# Altium PCB PCB.PcbDoc (part 1 of 2) (continued)
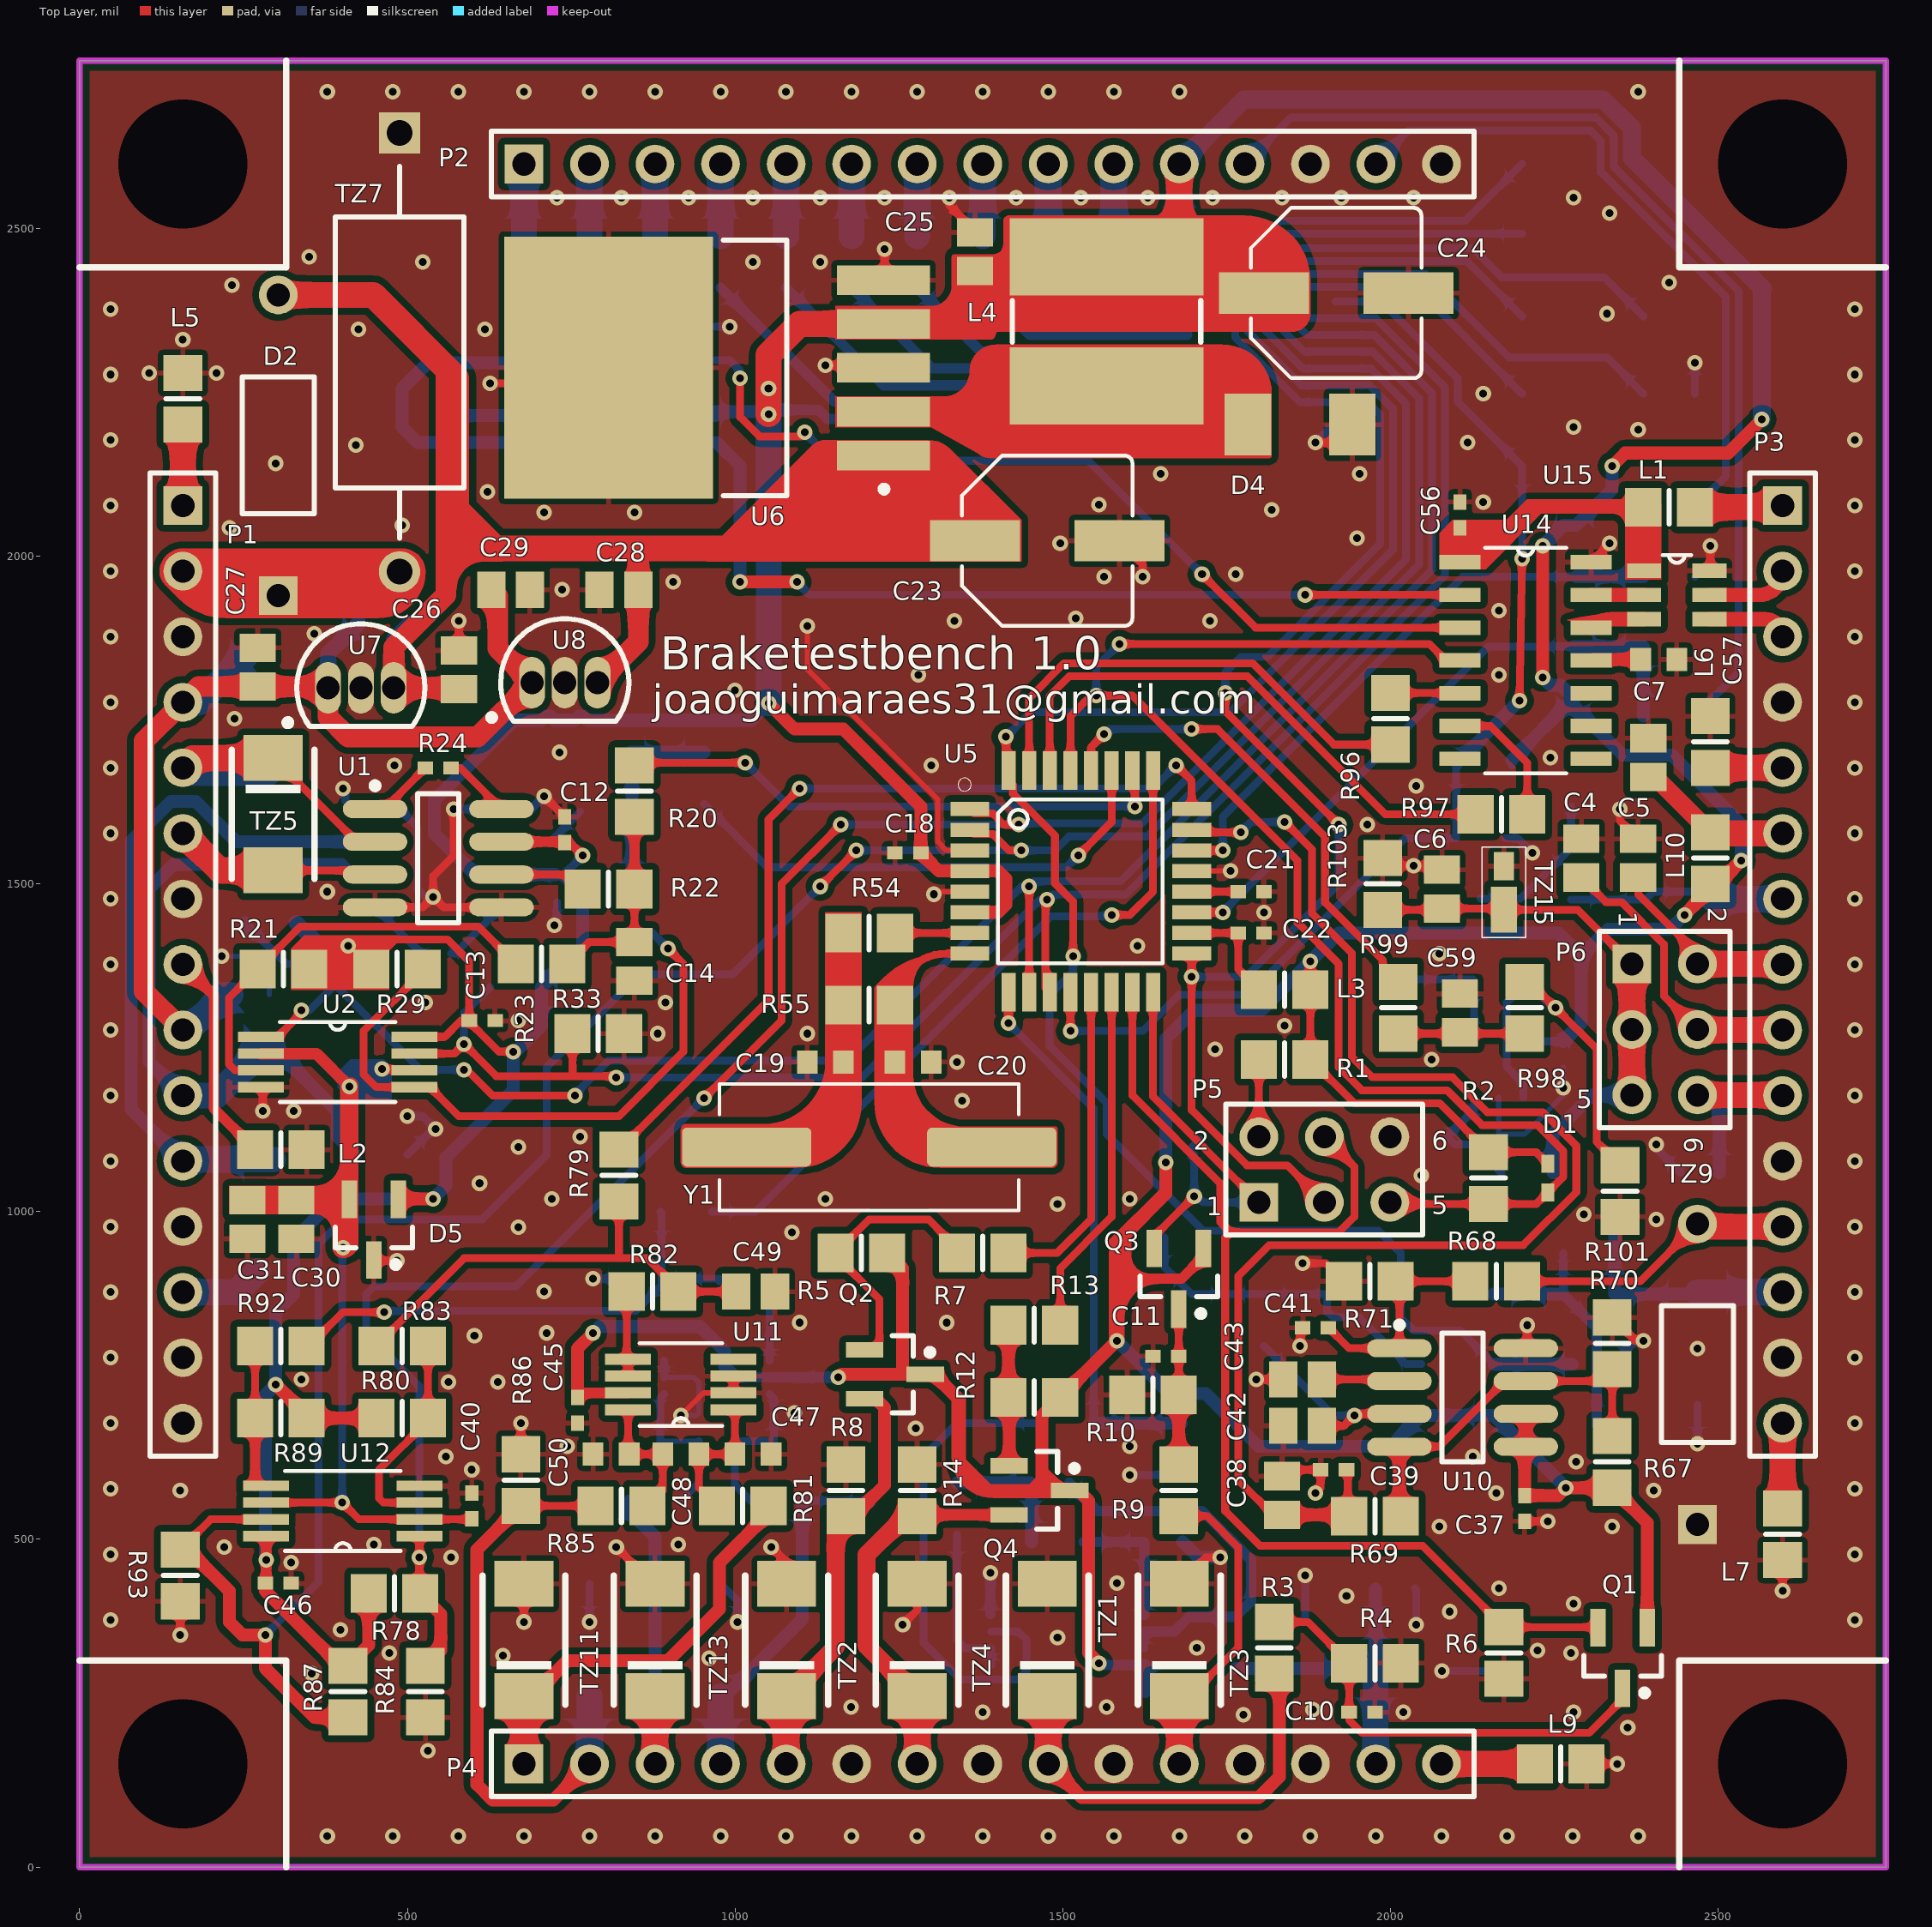
[diagram p0: Top Layer view]
## Components (designator, comment, footprint, x,y, rotation, side; value= is the part's Value field where it differs from the comment) (continued)
R50 "1k" 6-0805_M 877.95,2448.82 r90 bottom
R51 "100k" 6-0805_M 948.82,2259.84 r270 bottom
R52 "100k" 6-0805_M 551.18,2259.84 r270 bottom
R53 "1k" 6-0805_M 677.95,2448.82 r90 bottom
R54 "0R" 6-0805_M 1204.72,1425.2 r180 top
R55 "1M" 6-0805_M 1204.72,1314.96 r0 top
R56 "0R" 6-0805_M 464.57,1897.64 r180 bottom
R57 "100k" 6-0805_M 2279.53,1822.83 r270 bottom
R58 "1k" 6-0805_M 2047.24,728.35 r90 bottom
R59 "100k" 6-0805_M 2283.46,2007.87 r90 bottom
R61 "10k" 6-0805_M 1763.78,342.52 r270 bottom
R62 "22k" 6-0805_M 1338.58,547.24 r90 bottom
R63 "10k" 6-0805_M 1492.13,496.06 r0 bottom
R64 "1k" 6-0805_M 1507.87,677.17 r180 bottom
R65 "1M" 6-0805_M 1870.08,342.52 r270 bottom
R66 "100k" 6-0805_M 1681.1,637.8 r90 bottom
R67 "10k" 6-0805_M 2338.58,618.11 r270 top
R68 "10k" 6-0805_M 2161.42,893.7 r180 top
R69 "10k" 6-0805_M 1976.38,535.43 r180 top
R70 "10k" 6-0805_M 2338.58,799.21 r270 top
R71 "100k" 6-0805_M 1968.5,893.7 r0 top
R72 "24k" 6-0805_M 1807.09,834.65 r270 bottom
R73 "200R" 6-0805_M 1696.85,834.65 r90 bottom
R74 "10k" 6-0805_M 2157.48,728.35 r270 bottom
R75 "150k" 6-0805_M 2303.15,874.02 r180 bottom
R76 "1M" 6-0805_M 2354.33,1019.68 r90 bottom
R77 "100k" 6-0805_M 2118.11,874.02 r0 bottom
R78 "10k" 6-0805_M 480.31,417.32 r0 top
R79 "0R" 6-0805_M 822.83,1055.12 r270 top
R80 "1M" 6-0805_M 492.13,685.04 r0 top
R81 "10k" 6-0805_M 1011.81,551.18 r180 top
R82 "10k" 6-0805_M 874.02,877.95 r180 top
R83 "0R" 6-0805_M 492.13,795.28 r0 top
R84 "10k" 6-0805_M 527.56,267.72 r270 top
R85 "10k" 6-0805_M 826.77,551.18 r0 top
R86 "1M" 6-0805_M 673.23,590.55 r270 top
R87 "10k" 6-0805_M 409.45,267.72 r270 top
R88 "0R" 6-0805_M 925.2,1000 r180 bottom
R89 "1M" 6-0805_M 307.09,685.04 r180 top
R90 "10k" 6-0805_M 877.95,559.06 r0 bottom
R91 "10k" 6-0805_M 1015.75,897.64 r0 bottom
R92 "0R" 6-0805_M 307.09,795.28 r180 top
R93 "10k" 6-0805_M 153.54,444.88 r270 top
R94 "10k" 6-0805_M 1062.99,559.06 r180 bottom
R95 "1M" 6-0805_M 1208.66,594.49 r270 bottom
R96 "1k" 6-0805_M 2000,1751.97 r270 top
R97 "1k" 6-0805_M 2169.29,1606.3 r180 top
R98 "10k" 6-0805_M 2204.72,1311.02 r90 top
R99 "0R" 6-0805_M 2011.81,1311.02 r270 top
R100 "10k" 6-0805_M 2208.66,1059.06 r180 bottom
R101 "100k" 6-0805_M 2350.39,1031.5 r90 top
R102 "20k" 6-0805_M 2165.35,1354.33 r0 bottom
R103 "1M" 6-0805_M 1988.19,1500 r90 top
R104 "10k" 6-0805_M 1984.25,1354.33 r0 bottom
R105 "10k" 6-0805_M 2145.67,1681.1 r0 bottom
R106 "100k" 6-0805_M 2275.59,1515.75 r270 bottom
R107 "1M" 6-0805_M 2389.76,1515.75 r90 bottom
TZ1 "SMBJ12A" DO-214AA 1476.38,346.46 r90 top
TZ2 "SMBJ12A" DO-214AA 1078.74,346.46 r90 top
TZ3 "SMBJ12A" DO-214AA 1677.95,346.46 r90 top
TZ4 "SMBJ12A" DO-214AA 1277.95,346.46 r90 top
TZ5 "SMBJ5.0CA" DO-214AA 295.28,1606.3 r270 top
TZ6 "SMBJ5.0CA" DO-214AA 295.28,1165.35 r270 bottom
TZ7 "SLD24-018" P600 488.19,2311.02 r270 top
TZ8 "SMBJ12A" DO-214AA 2062.99,303.15 r0 bottom
TZ9 "SLD17-018" PIN-W2/E2.8 2468.5,751.97 r90 top
TZ10 "SMBJ12A" DO-214AA 2468.5,791.34 r270 bottom
TZ11 "SMBJ10CA" DO-214AA 677.95,346.46 r90 top
TZ12 "SMBJ10CA" DO-214AA 777.95,346.46 r270 bottom
TZ13 "SMBJ10CA" DO-214AA 877.95,346.46 r90 top
TZ14 "SMBJ10CA" DO-214AA 977.95,346.46 r270 bottom
TZ15 "MSP3V3-M3/89A" DO-219AD 2173.23,1487.01 r90 top
TZ16 "MSP3V3-M3/89A" DO-219AD 2492.13,1503.15 r90 bottom
U1 "AD8223" SO8_M 547.24,1539.37 r0 top
U2 "LM358PT" TSOP-8 393.7,1228.35 r0 top
U3 "AD8223" SO8_M 547.24,1539.37 r0 bottom
U4 "TPL7407LAPWR" TSOP-16 1803.15,2299.21 r180 bottom
U5 "ATMEGA328PB" QFP80P900X900X120-32N 1527.56,1503.94 r0 top
U6 "TL2575-05" TO-263-5 972.44,2287.4 r180 top
U7 "LM78L10" TO-92A 429.13,1799.21 r270 top
U8 "LM78L10" TO-92A 740.16,1807.09 r270 top
U9 "LM358PT" TSOP-8 1507.87,346.46 r0 bottom
U10 "LM2907MX-8" SO8_M 2110.24,716.54 r0 top
U11 "AD8495" RM_8 917.32,736.22 r180 top
U12 "LM358PT" TSOP-8 401.57,543.31 r180 top
U13 "AD8495" RM_8 972.44,759.84 r0 bottom
U14 "MCP2221A-I/SL" SOIC14_N 2206.3,1840.94 r0 top
U15 "STF202-22T1G" SOP6 2437.01,1940.94 r0 top
U16 "MCP6001T-I/OT" SOT23-5 2165.35,1216.54 r180 bottom
Y1 "LFXTAL003237" HC49/4HSMX 1204.72,1098.43 r180 top

## Footprints (in the part's own frame and the unit in brackets; to place one, negate y for a bottom-side part, rotate by r counter-clockwise, add the part's x,y. Pads: shape width x height; smd on the part's side, far side on the other; paste and mask are expansions set on the pad)
6-0805_M [mm] "Chip Resistor, Body 2.0x1.2mm, IPC Low Density"
  rect 1.4x1.5 smd: 1(-1,0) 2(1,0)
  silkscreen extent 0,-0.65 0,0.65, body extent -1.07,-0.7 1.07,0.7, height 0.7
0402 [mm] "Chip Capacitor, Body 1.0x0.5mm, IPC High Density"
  rect 0.6x0.5 smd: 1(-0.5,0) 2(0.5,0)
  body extent -0.55,-0.3 0.55,0.3, height 1.3
1608[0603] [mm] "Chip Capacitor, Body 1.6x0.8mm, IPC High Density"
  rect 0.8x0.9 smd: 1(-0.7,0) 2(0.7,0)
  body extent -0.87,-0.48 0.87,0.48, height 1.3
C0805 [mm] "Chip Capacitor, Body 2.0x1.3mm, IPC High Density"
  rect 1.1x1.4 smd: 1(-0.75,0) 2(0.75,0)
  body extent -1.1,-0.72 1.1,0.72, height 1.4
DO-214AA [mil]
  rect 70x90 smd: A(85.71,0) C(-85.71,0)
  silkscreen extent -98,-63 98,63
DO-214AC [mil]
  rect 70.87x94.49 smd: A(79.72,0) C(-79.72,0)
DO-219AD [mil]
  rect 42.91x31.1 smd: A(40.16,0)
  rect 70.47x40.16 smd: C(-26.38,0)
  silkscreen extent -69,-33 69,33
HC49/4HSMX [mil]
  rrect25% 197.24x59.45 smd: 1(-187.01,0) 2(187.01,0)
  silkscreen extent -228,-96 228,96
HDR1X15 [mm] "Connector; Header; 15 Position"
  rect 1.5x1.5 hole 0.9: 1(0,0)
  round 1.5 hole 0.9: 2(2.54,0) 3(5.08,0) 4(7.62,0) 5(10.16,0) 6(12.7,0) 7(15.24,0) 8(17.78,0) 9(20.32,0) 10(22.86,0) 11(25.4,0) 12(27.94,0) 13(30.48,0) 14(33.02,0) 15(35.56,0)
  silkscreen extent -1.27,-1.27 36.83,1.27
HDR2X3 [mm] "Connector; Header; 3x2 Position"
  rect 1.5x1.5 hole 0.9: 1(0,0)
  round 1.5 hole 0.9: 2(0,2.54) 3(2.54,0) 4(2.54,2.54) 5(5.08,0) 6(5.08,2.54)
  silkscreen extent -1.27,-1.27 6.35,3.81
P600 [mm]
  rect 1.6x1.6 hole 1: 1(-8.5,0)
  round 1.6 hole 1: 2(8.5,0)
  silkscreen extent -7.2,-2.5 7.2,2.5
PIN-W2/E2.8 [mm] "Thru-Hole; 2 Leads"
  rect 1.5x1.5 hole 0.9: 1(-5.825,0)
  round 1.5 hole 0.9: 2(5.825,0)
  silkscreen extent -2.65,-1.4 2.65,1.4
QFP80P900X900X120-32N [mm]
  rect 1.5x0.55 smd: 1(-4.3,2.8) 2(-4.3,2) 3(-4.3,1.2) 4(-4.3,0.4) 5(-4.3,-0.4) 6(-4.3,-1.2) 7(-4.3,-2) 8(-4.3,-2.8) 17(4.3,-2.8) 18(4.3,-2) 19(4.3,-1.2) 20(4.3,-0.4) 21(4.3,0.4) 22(4.3,1.2) 23(4.3,2) 24(4.3,2.8)
  rect 0.55x1.5 smd: 9(-2.8,-4.3) 10(-2,-4.3) 11(-1.2,-4.3) 12(-0.4,-4.3) 13(0.4,-4.3) 14(1.2,-4.3) 15(2,-4.3) 16(2.8,-4.3) 25(2.8,4.3) 26(2,4.3) 27(1.2,4.3) 28(0.4,4.3) 29(-0.4,4.3) 30(-1.2,4.3) 31(-2,4.3) 32(-2.8,4.3)
  silkscreen extent -4.75,-3.17 3.17,4, body extent -4.56,-4.56 4.44,4.44, height 1.2
RM_8 [mil]
  rect 70x17 smd: 1(-80.5,38.39) 2(-80.5,12.8) 3(-80.5,-12.8) 4(-80.5,-38.39) 5(80.5,-38.39) 6(80.5,-12.8) 7(80.5,12.8) 8(80.5,38.39)
  silkscreen extent -63,-63 63,63, body extent -101,-63 102,63, height 43
SDE0805A [mm] "SMT Inductor"
  rect 3x7.5 smd: 1(-2.5,0) 2(2.5,0)
  silkscreen extent -0.8,-3.65 0.8,3.65, body extent -3.83,-3.56 3.83,3.44, height 5
SO8_M [mm] "SOIC, 8-Leads, Body 4.9x3.9mm, Pitch 1.27mm, IPC Low Density"
  oval 2.5x0.7 smd: 1(-2.45,1.905) 2(-2.45,0.635) 3(-2.45,-0.635) 4(-2.45,-1.905) 5(2.45,-1.905) 6(2.45,-0.635) 7(2.45,0.635) 8(2.45,1.905)
  silkscreen extent -2.57,-2.5 0.8,2.93, body extent -2,-2.5 2,2.5, height 1.75
SOD-523 [mm]
  rect 0.7x0.5 smd: 1(0.55,0) 2(-0.55,0)
SOIC14_N [mil]
  rect 63x22 smd: 1(-100,150) 2(-100,100) 3(-100,50) 4(-100,0) 5(-100,-50) 6(-100,-100) 7(-100,-150) 8(100,-150) 9(100,-100) 10(100,-50) 11(100,0) 12(100,50) 13(100,100) 14(100,150)
  silkscreen extent -62,-172 62,172, body extent -119,-170 119,170, height 62
SOP6 [mil]
  rect 52x22 smd: 1(-50,37) 2(-50,0) 3(-50,-37) 4(50,-37) 5(50,0) 6(50,37)
  silkscreen extent -22,49 22,61
SOT23-5 [mm] "SOT-23/SC-74A; 5 Leads; Body 3.1 x 3 mm, inc. leads (LxW max)"
  rect 0.55x1.45 smd: 1(-0.95,-1.075) 2(0,-1.075) 3(0.95,-1.075) 4(0.95,1.075) 5(-0.95,1.075)
  silkscreen extent -1.58,-1.35 1.55,0.9, body extent -1.45,-1.4 1.45,1.4, height 1.2
SOT23-6_M [mm] "SOT23, 6-Leads, Body 2.9x1.6mm, Pitch 0.95mm, Lead Span 2.7mm, IPC Low Density"
  rect 1.3x0.7 smd: 1(-1.2,0.95) 2(-1.2,0) 3(-1.2,-0.95) 4(1.2,-0.95) 5(1.2,0) 6(1.2,0.95)
  silkscreen extent -1.33,-1.55 0.15,1.97, body extent -0.9,-1.55 0.9,1.55, height 1.45
SOT23_M [mm] "SOT23, 3-Leads, Body 2.9x1.3mm, Pitch 0.95mm, Lead Span 2.3mm - Reverse Pinning, IPC Low Density"
  rect 1.45x0.6 smd: 1(1.175,0) 2(-1.175,-0.95) 3(-1.175,0.95)
  silkscreen extent -0.1,-1.5 1.47,1.5, body extent -0.7,-1.5 0.7,1.5, height 1.1
TO-92A [mm] "TO, Flat Index; 3 In-Line, Axial Leads; Body Dia. 4.5mm; Leads 0.51 x 0.48 mm (max)"
  oval 2x1 hole 0.9: 1(0,-1.27) 2(0,0) 3(0,1.27)
  silkscreen extent -2.48,-2.95 1.5,2.48, body extent -2.48,-2.5 1.5,2.5, height 6.86
TO-263-5 [mm] "D2-PAK, 6-Pads, Body 8,9x9,9mm (max), IPC Low Density"
  rect 3.6x1.15 smd: 1(-6.45,3.4) 2(-6.45,1.7) 3(-6.45,0) 4(-6.45,-1.7) 5(-6.45,-3.4)
  rect 8.1x10.15 smd paste-5: 6(4.2,0)
  silkscreen extent -6.6,-4.95 -0.25,4.95, body extent -7.31,-5.08 7.33,5.08, height 4.57
TSOP-8 [mil]
  rect 70x16 smd: 1(-117,38.39) 2(-117,12.8) 3(-117,-12.8) 4(-117,-38.39) 5(117,-38.39) 6(117,-12.8) 7(117,12.8) 8(117,38.39)
  silkscreen extent -88,-61 88,61, body extent -130,-61 130,61, height 47
TSOP-16 [mil]
  rect 78x16 smd: 1(-113,89.57) 2(-113,63.98) 3(-113,38.39) 4(-113,12.8) 5(-113,-12.8) 6(-113,-38.39) 7(-113,-63.98) 8(-113,-89.57) 9(113,-89.57) 10(113,-63.98) 11(113,-38.39) 12(113,-12.8) 13(113,12.8) 14(113,38.39) 15(113,63.98) 16(113,89.57)
  silkscreen extent -61,-101 172,101, body extent -130,-101 130,100, height 47
WCAP-ASLI_6.3x5.5 [mm] "Aluminium Electrolytic V-Chip SMT Capacitors, Ф6.3x5.5mm"
  rect 3.5x1.6 smd: 1(2.8,0) 2(-2.8,0)
  silkscreen extent -3.3,-3.3 3.3,3.3, body extent -3.65,-3.3 3.65,3.3, height 5.5
WCAP-ASLI_6.3x7.7 [mm] "Aluminium Electrolytic V-Chip SMT Capacitors, Ф6.3x7.7mm"
  rect 3.5x1.6 smd: 1(2.8,0) 2(-2.8,0)
  silkscreen extent -3.3,-3.3 3.3,3.3, body extent -3.65,-3.3 3.65,3.3, height 7.7

## Part data
C1 C2 C3 C4 C5 C6 C7 C8 C9 C10 C11 C12 C13 C15 C17 C18 C21 C22 C33 C40 C45 C46 C51 C56 C58 C61: library part Cap, "Capacitor", PartNumber1=CAP.100n.25V.10%.SMD.0402, Supplier Part Number 1=710-885012105010, Price=0,00
  C1 C3 C4 C5 C6 C7 C8 C9 C18 C21 C22: ClassName=MCU, Supplier1=Mouser
  C2 C40 C45: ClassName=TemperatureACQ, Supplier 1=Mouser
  C10 C11: ClassName=DigitalInterfaces, Supplier1=Mouser
  C12 C13 C15: ClassName=ForceACQ, Supplier1=Mouser
  C17: ClassName=Leds, Supplier1=Mouser
  C33: ClassName=PwmOut, Supplier1=Mouser
  C46 C51: ClassName=TemperatureACQ, Supplier1=Mouser
  C56: ClassName=USB, Supplier1=Mouser
  C58 C61: ClassName=VibrationACQ, Supplier1=Mouser
C14 C16 C25 C27 C29 C30 C31 C32 C36 C49 C54 C59: library part Cap, "Capacitor", PartNumber1=CAP.1u.10V.10%.SMD.0805, Supplier Part Number 1=77-VJ0805Y105KXQTBC, Price=0,00
  C14 C16: ClassName=ForceACQ, Supplier1=Mouser
  C25 C27 C29 C30 C31 C32 C36: ClassName=PowerSupplies, Supplier1=Mouser
  C49: ClassName=TemperatureACQ, Supplier 1=Mouser
  C54: ClassName=TemperatureACQ, Supplier1=Mouser
  C59: ClassName=VibrationACQ, Supplier1=Mouser
C19 C20: library part Cap, "Capacitor", PartNumber1=CAP.22p.10V.5%.SMD.0603, Supplier Part Number 1=77-VJ0603A220JXQCBC, ClassName=MCU, Price=0,00, Supplier1=Mouser
C23: library part "Cap Pol", "Polarized Capacitor (Surface Mount)", PartNumber1=CAP.100u.50V.20%.SMD.6,3x7,7, Supplier Part Number 1=667-EEE-1VA101XP, ClassName=PowerSupplies, Price=0,00, Supplier1=Mouser
C24: library part "Cap Pol", "Polarized Capacitor (Surface Mount)", PartNumber1=CAP.100u.35V.20%.SMD.6,3x5,4, Supplier Part Number 1=647-UWX1C101MCL1MB, ClassName=PowerSupplies, Price=0,00, Supplier1=Mouser
C26 C28: library part Cap, "Capacitor", PartNumber1=CAP.0.33u.16V.10%.SMD.0805, Supplier Part Number 1=77-VJ0805Y105KXQTBC, ClassName=PowerSupplies, Price=0,00, Supplier1=Mouser
C34: library part Cap, "Capacitor", PartNumber1=CAP.2700p.50V.10%.SMD.0805, Supplier Part Number 1=77-VJ0805A272KXATBC, ClassName=PwmOut, Price=0,00, Supplier1=Mouser
C35: library part Cap, "Capacitor", PartNumber1=CAP.3900p.50V.5%.SMD.0805, Supplier Part Number 1=77-VJ0805A392JXAAT, ClassName=PwmOut, Price=0,00, Supplier1=Mouser
C37 C38 C39 C41 C42 C43 C44: library part Cap, "Capacitor", ClassName=SpeedACQ, Price=0,00
C47 C50 C52 C55: library part Cap, "Capacitor", PartNumber1=CAP.1n.25V.10%.SMD.0603, Supplier Part Number 1=81-GRM39X102K050, ClassName=TemperatureACQ, Price=0,00
  C47: Supplier 1=Mouser
  C50 C52 C55: Supplier1=Mouser
C48 C53 C60: library part Cap, "Capacitor", PartNumber1=CAP.10n.25V.10%.SMD.0603, Supplier Part Number 1=81-GRM155R71E103JA1J, Price=0,00
  C48: ClassName=TemperatureACQ, Supplier 1=Mouser
  C53: ClassName=TemperatureACQ, Supplier1=Mouser
  C60: ClassName=VibrationACQ, Supplier1=Mouser
C57: library part Cap, "Capacitor", PartNumber1=CAP.470n.10V.20%.SMD.0603, ClassName=USB, Price=0,00
D1: "Schottky Diodes & Rectifiers 30V 200mW Single", Supplier Part Number 1=863-RB521S30T1G, ClassName=Connectors, PartNumber1=RB521S30T1G, Price=0,00, Supplier1=Mouser
D2: library part Diode, "Default Diode", ClassName=PowerSupplies, PartNumber1=1N5822, Price=0,00
D4: "Schottky Diodes & Rectifiers Vr/40V Io/1A T/R", PartNumber1=FM5819, Supplier Part Number 1=583-FM5819, ClassName=PowerSupplies, Price=0,00, Supplier1=Mouser
D5: "4V5 Voltage References uPower Low-Dropout Voltage Ref", PartNumber1=MAX6107EUR, Supplier Part Number 1=MAX6107EUR+TCT-ND, ClassName=PowerSupplies, Price=0,00, Supplier1=Digi-Key
D6: library part ADR510ARTZ-REEL7, "Voltage References 1.0V Prec Shunt Low Noise", Supplier Part Number 1=584-ADR510ARTZ-R7, ClassName=PowerSupplies, PartNumber1=ADR510ARTZ, Price=0,00, Supplier1=Mouser
L1 L2 L5 L6 L7 L8 L9 L10: library part Inductor, "Chip Inductor", Supplier Part Number 1=490-1041-1-ND, ClassName=Connectors, PartNumber1=BLM21, Price=0,00, Supplier1=Digi-Key
L3: library part Inductor, "Chip Inductor", PartNumber1=LBC2012T100M, ClassName=MCU, Price=0,00
L4: library part Inductor, "Chip Inductor", PartNumber1=SDE0805A-331K, Supplier Part Number 1=652-SDE0805A-331K, ClassName=PowerSupplies, Price=0,00, Supplier1=Mouser
P1 P2 P3 P4: "Header, 15-Pin", Price=0,00
P5 P6: "Header, 3-Pin, Dual row", Supplier Part Number 1=S6009-03-ND, ClassName=Connectors, PartNumber1="Header 3X2", Price=0,00, Supplier1=Digi-Key
Q1 Q3 Q7: "Small Signal MOSFET 60 V, 310 mA, Single, N-Channel, SOT-23", Supplier Part Number 1=771-NX7002AKVL, PartNumber1=NX7002AKVL, Price=0,00, Supplier1=Mouser
  Q1 Q3: ClassName=DigitalInterfaces
  Q7: ClassName=VibrationACQ
Q2 Q4: "P-Channel Logic Level Enhancement MOSFET", ClassName=DigitalInterfaces, Price=0,00
Q5: "-20 V, -430 mA, Dual P-Channel with ESD Protection, SOT-563", PartNumber1=NTZD315PT1H, Supplier Part Number 1=863-NTZD3152PT1H, ClassName=Leds, Price=0,00, Supplier1=Mouser
Q6: "Small Signal MOSFET 60 V, 310 mA, Single, N-Channel, SOT-23", ClassName=SpeedACQ, Price=0,00
R1 R20 R23 R28 R31 R79 R83 R88 R92 R99: library part Res, "Resistor", PartNumber1=RES.0R.1/8W.5%.SMD.0805, Supplier Part Number 1=652-CR0805-J/-000GLF, Price=0,00
  R1 R79: ClassName=TemperatureACQ, Supplier 1=Mouser
  R20 R23 R28 R31: ClassName=ForceACQ, Supplier1=Mouser
  R83 R88 R92: ClassName=TemperatureACQ, Supplier1=Mouser
  R99: ClassName=VibrationACQ, Supplier1=Mouser
R2 R19 R22 R25 R27 R30 R33 R61 R63 R78 R81 R82 R84 R85 R87 R90 R91 R93 R94 R98 R100 R104 R106: library part Res, "Resistor", PartNumber1=RES.10K.1/8W.5%.SMD.0805, Supplier Part Number 1=652-CR0805-JW-103ELF, Price=0,00
  R2: ClassName=Connectors, Supplier1=Mouser
  R19 R22 R25 R27 R30 R33: ClassName=ForceACQ, Supplier1=Mouser
  R61 R63: ClassName=PwmOut, Supplier1=Mouser
  R78 R82 R84 R85 R87 R90 R91 R93 R94: ClassName=TemperatureACQ, Supplier1=Mouser
  R81: ClassName=TemperatureACQ, Supplier 1=Mouser
  R98 R100 R104 R106: ClassName=VibrationACQ, Supplier1=Mouser
R3 R9: library part Res, "Resistor", PartNumber1=RES.150K.1/8W.5%.SMD.0805, Supplier Part Number 1=71-CRCW0805J-100K-E3, ClassName=DigitalInterfaces, Price=0,00, Supplier1=Mouser
R4 R5 R6 R8 R10 R11 R12 R14 R42 R43 R44 R45 R46 R47 R48 R51 R52 R66 R101 R105: library part Res, "Resistor", PartNumber1=RES.100K.1/8W.5%.SMD.0805, Supplier Part Number 1=71-CRCW0805J-100K-E3, Price=0,00, Supplier1=Mouser
  R4 R5 R6 R8 R10 R11 R12 R14: ClassName=DigitalInterfaces
  R42 R43 R44 R45 R46 R47 R48 R51 R52: ClassName=Leds
  R66: ClassName=PwmOut
  R101 R105: ClassName=VibrationACQ
R7 R13: library part Res, "Resistor", PartNumber1=RES.1K.1/8W.5%.SMD.0805, Supplier Part Number 1=71-CRCW0805J-100K-E3, ClassName=DigitalInterfaces, Price=0,00, Supplier1=Mouser
R15 R16 R17 R18 R56 R57 R59: library part Res, "Resistor", PartNumber1=RES.0R.1/8W.5%.SMD.0805, ClassName=PowerSupplies, Price=0,00
R21 R26 R29 R34 R55 R65 R80 R86 R89 R95 R103 R107: library part Res, "Resistor", PartNumber1=RES.1M.1/8W.5%.SMD.0805, Supplier Part Number 1=652-CR0805JW-105ELF, Price=0,00
  R21 R26 R29 R34: ClassName=ForceACQ, Supplier1=Mouser
  R55: ClassName=MCU, Supplier1=Mouser
  R65: ClassName=PwmOut, Supplier1=Mouser
  R80 R89 R95: ClassName=TemperatureACQ, Supplier1=Mouser
  R86: ClassName=TemperatureACQ, Supplier 1=Mouser
  R103 R107: ClassName=VibrationACQ, Supplier1=Mouser
R24 R32: library part Res, "Resistor", PartNumber1=RES.845R.1/8W.1%.SMD.0402, Supplier Part Number 1=71-CRCW1206-845-E3, ClassName=ForceACQ, Price=0,00
  R24: Supplier 1=Mouser
  R32: Supplier1=Mouser
R35 R36 R37 R38 R39 R40 R41 R49 R50 R53 R64 R96 R97: library part Res, "Resistor", PartNumber1=RES.1K.1/8W.5%.SMD.0805, Supplier Part Number 1=652-CR0805FX-1001ELF, Price=0,00, Supplier1=Mouser
  R35 R36 R37 R38 R39 R40 R41 R49 R50 R53: ClassName=Leds
  R64: ClassName=PwmOut
  R96 R97: ClassName=USB
R54: library part Res, "Resistor", PartNumber1=RES.0R.1/8W.5%.SMD.0805, Supplier Part Number 1=652-CR0805JW-105ELF, ClassName=MCU, Price=0,00, Supplier1=Mouser
R58: library part Res, "Resistor", PartNumber1=RES.10K.1/8W.5%.SMD.0805, ClassName=PowerSupplies, Price=0,00
R62: library part Res, "Resistor", PartNumber1=RES.22K.1/8W.5%.SMD.0805, Supplier Part Number 1=652-CR0805JW-223ELF, ClassName=PwmOut, Price=0,00, Supplier1=Mouser
R67 R68 R69 R70 R71 R72 R73 R74 R75 R76 R77: library part Res, "Resistor", ClassName=SpeedACQ, Price=0,00
R102: library part Res, "Resistor", PartNumber1=RES.20K.1/8W.1%.SMD.0805, Supplier Part Number 1=71-CRCW0805-20K-E3, ClassName=VibrationACQ, Price=0,00, Supplier1=Mouser
TZ1 TZ2 TZ3 TZ4 TZ8: "ESD Suppressors / TVS Diodes 12V 600W SMB Unidirectional", Supplier Part Number 1=621-SMBJ12A-13-F, PartNumber1=SMBJ12A, Price=0,00, Supplier1=Mouser
  TZ1 TZ2 TZ3 TZ4: ClassName=DigitalInterfaces
  TZ8: ClassName=PwmOut
TZ5 TZ6: "ESD Suppressors / TVS Diodes 5Vr 600W 65.3A 5% BiDirectional", Supplier Part Number 1=652-SMBJ5.0CA, ClassName=ForceACQ, PartNumber1=SMBJ5.0CA, Price=0,00
  TZ5: Supplier 1=Mouser
  TZ6: Supplier1=Mouser
TZ7 TZ9: library part SLD30-018, "TVS Bi-Directional VR=30V", ClassName=PowerSupplies, Price=0,00
  TZ7: PartNumber1=SLD24-018
  TZ9: PartNumber1=SLD17-018
TZ10: "ESD Suppressors / TVS Diodes 12V 600W SMB Unidirectional", ClassName=SpeedACQ, Price=0,00
TZ11 TZ12 TZ13 TZ14: "ESD Suppressors / TVS Diodes 600W 10.0V", PartNumber1=SMBJ10CA-13-F, Supplier Part Number 1=652-SMBJ10CA, ClassName=TemperatureACQ, Price=0,00
  TZ11: Supplier 1=Mouser
  TZ12 TZ13 TZ14: Supplier1=Mouser
TZ15 TZ16: "ESD Suppressors / TVS Diodes 100W 3.3V Unidirect", ClassName=VibrationACQ, PartNumber1=MSP3V3-M3/89A, Price=0,00
U1 U3: "Precision Instrumentation Amplifier", PartNumber1=AD8223ARZ, Supplier Part Number 1=584-AD8223ARZ, ClassName=ForceACQ, Price=0,00
  U1: Supplier 1=Mouser
  U3: Supplier1=Mouser
U2 U9 U12: "Operational Amplifiers - Op Amps Dual Low Power", Supplier Part Number 1=511-LM358P, PartNumber1=LM358PT, Price=0,00, Supplier1=Mouser
  U2: ClassName=ForceACQ
  U9: ClassName=PwmOut
  U12: ClassName=TemperatureACQ, Supplier 1=Mouser
U5: library part ATMEGA328PB-AU, "8-bit AVR® RISC-based microcontroller (MCU) with picoPower® technology."
U6: library part TL2575-05IKTTR, "Switching Voltage Regulators 1-A Step-Down Voltage", Supplier Part Number 1=595-TL2575-05IKTTRG3, ClassName=PowerSupplies, PartNumber1=TL2575-05, Price=0,00, Supplier1=Mouser
U7 U8: "3-TERMINAL 0.1A POSITIVE VOLTAGE REGULATOR", Price=0,00
U10: "Voltage to Frequency & Frequency to Voltage Frequency to Voltage Converter", ClassName=SpeedACQ, Price=0,00
U11 U13: "Precision Type K Thermocouple Amplifier with Cold Junction Compensation", PartNumber1=AD8495CRMZ-R7, Supplier Part Number 1=584-AD8495ARMZ-R7, ClassName=TemperatureACQ, Price=0,00
  U11: Supplier 1=Mouser
  U13: Supplier1=Mouser
U14: "USB Interface IC USB 2.0 to I2C Converter with GPIO", ClassName=USB, PartNumber1=MCP2221A-I/SL, Price=0,00
U15: Supplier Part Number 1=863-STF202-22T1G, ClassName=USB, PartNumber1=STF202-22T1G, Price=0,00, Supplier1=Mouser
U16: "Operational Amplifiers - Op Amps Single 1.8V 1MHz", Supplier Part Number 1=579-MCP6001T-I/OT, ClassName=VibrationACQ, PartNumber1=MCP6001T-I/OT, Price=0,00, Supplier1=Mouser
Y1: "Crystals 16.0MHz 13.4 x 4.9 x 4.3mm", PartNumber1=LFXTAL003237Reel, Supplier Part Number 1=449-LFXTAL003237REEL, ClassName=MCU, Price=0,00, Supplier1=Mouser
U4: ClassName=Leds, PartNumber1=TPL7407LAPWR, Price=0,00

## Free pads (board coordinates)
  round 60 hole 196.85 unplated: 5(157.48,157.48) 5(157.48,2598.43) 5(2598.43,157.48) 5(2598.43,2598.43)

## Via types
v1: diameter 23.62, hole 11.81, Top Layer to Bottom Layer, tented both sides, 349 vias

## Nets (pads, with @x,y where several pads share a name; then routed paths per layer and width w, separated by ;. In a path a pad name is that pad's centre, name@x,y a point inside that pad or via, vN(x,y) a via of type N, cw(c..) or ccw(c..) an arc to the next point about the centre after c; other vN are vias at no path point)
1V_VREF: C32.1 D6.3 R58.2 R72.1 R73.2 | length 512.6
  Bottom Layer w11.81: C32.1@1655.51,960.63 1655.51,915.35 R73.2@1696.85,874.02 R72.1@1807.09,874.02 1902.56,874.02 D6.3@1903.54,873.03 1903.54,848.43 1913.39,838.58 1952.76,838.58 2023.62,767.72 R58.2@2047.24,767.72
4V5_VREF: C2.2 C30.1 C31.1 C40.2 D5.2 U2.2 U2.6 U12.2 U12.6 | length 1429
  Top Layer w11.81: U12.6@284.57,556.1 v1(400.59,556.1) 426.18,530.51 U12.2@518.57,530.51 597.44,530.51 C40.2@598.43,531.5 ; D5.2@401.57,1008.86 410.43,1017.72 D5.2@411.42,1018.7 ; v1(461.57,1217.47) 508.78,1217.47 U2.6@510.7,1215.55
  Top Layer w17.72: U2.2@276.7,1241.14 361.22,1241.14 v1(411.42,1190.94) D5.2@411.42,1018.7
  Top Layer w27.56: C31.1@255.91,1017.72 C30.1@330.71,1017.72 D5.2@410.43,1017.72 ; v1(401.57,944.88) D5.2@401.57,1008.86
  Bottom Layer w11.81: v1(400.59,556.1) 400.59,943.9 v1(401.57,944.88) ; v1(411.42,1190.94) 411.42,1202.75 426.13,1217.47 v1(461.57,1217.47) 461.57,1182.04 C2.2@460.63,1181.1
5V: C1.2 C12.1 C13.2 C15.1 C17.2 C18.2 C24.1 C25.1 C33.2 C37.2 C45.2 C46.2 C51.2 C58.1 D1.1 D5.3 L3.2 L4.2 L10.1 P2.11 Q1.3 Q2.1 Q3.3 Q4.1 R1.2 R2.2 R5.2 R12.2 R19.1 R21.1 R27.1 R29.1 R51.2 R52.2 R57.2 R58.1 R59.2 R67.2 R74.2 R78.1 R80.1 R87.1 R89.1 R105.2 U1.7 U2.8 U3.7 U4.9 U5.4 U5.6 U6.4 U9.8 U10.5 U10.6 U11.7 U12.8 U13.7 U16.5 | length 15100.4
  Top Layer w11.81: C46.2@283.46,433.07 C46.2@284.57,434.18 ; R89.1@346.46,685.04 R89.1@346.46,688.97 ; R29.1@444.88,1370.08 444.88,1393.7 466.54,1415.35 561.02,1415.35 594.49,1381.89 C13.2@594.49,1291.34 ; D5.3@486.22,1018.7 D5.3@487.2,1019.68 ; U2.8@510.7,1266.73 557.14,1266.73 581.74,1291.34 C13.2@594.49,1291.34 ; U1.7@641.14,1566.93 U1.7@643.7,1564.37 ; v1(661.42,1244.09) 639.78,1244.09 594.49,1289.39 C13.2@594.49,1291.34 ; C12.1@738.78,1564.37 C12.1@740.16,1562.99 748.03,1562.99 v1(767.72,1543.31) ; Q2.1@1290.35,751.97 Q2.1@1303.15,751.97 ; 1358.27,2346.46 1405.51,2393.7 1503.94,2393.7 L4.2@1566.93,2456.69 L4.2@1649.61,2456.69 ; Q4.1@1496.06,574.8 Q4.1@1510.83,574.8 1514.76,570.87 Q4.1@1527.56,570.87 ; Q3.3@1714.57,931.1 Q3.3@1714.57,943.9 ; v1(1877.95,1381.89) L3.2@1877.95,1338.58 R1.2@1877.95,1232.28 1944.88,1165.35 2074.8,1165.35 R2.2@2149.61,1090.55 2222.44,1090.55 D1.1@2240.16,1072.83 ; U10.5@2204.72,639.57 U10.5@2206.69,641.54
  Top Layer w15.75: C46.2@284.57,434.18 U12.8@284.57,504.92 ; U1.7@643.7,1564.37 C12.1@738.78,1564.37 ; C45.2@759.84,716.54 766.73,723.43 U11.7@836.82,723.43 ; 1594.49,913.39 1610.24,897.64 1681.1,897.64 Q3.3@1714.57,931.1
  Top Layer w19.68: C46.2@283.46,433.07 283.46,421.26 397.64,307.09 R87.1@409.45,307.09 440.94,338.58 R78.1@440.94,417.32 ; v1(299.21,736.22) R89.1@346.46,688.97 ; R89.1@346.46,685.04 R80.1@452.76,685.04 ; D5.3@487.2,1019.68 v1(539.37,1019.68) ; C45.2@759.84,716.54 759.84,791.34 v1(783.46,814.96) ; v1(1051.31,1775.72) 1090.8,1736.22 1165.35,1736.22 1283.46,1618.11 C18.2@1283.46,1547.24 1311.02,1519.69 1401.57,1519.69 1413.39,1507.87 1413.39,1468.5 1401.57,1456.69 U5.6@1358.27,1456.69 ; v1(1157.48,747.05) 1162.4,751.97 1259.84,751.97 1255.91,755.91 1255.91,913.39 R5.2@1232.28,937.01 ; Q2.1@1303.15,751.97 1342.52,712.6 1342.52,618.11 1385.83,574.8 1452.76,574.8 1468.5,590.55 1468.5,688.98 R12.2@1496.06,716.54 v1(1582.68,803.15) 1582.68,901.57 1594.49,913.39 1594.49,964.57 1657.48,1027.56 v1(1657.48,1074.8) ; 1468.5,602.36 Q4.1@1496.06,574.8 ; Q4.1@1527.56,570.87 1539.37,559.06 1539.37,326.77 v1(1555.12,311.02) ; U10.5@2204.72,639.57 C37.2@2204.72,566.93 2255.91,566.93 v1(2267.72,578.74) R67.2@2338.58,578.74 2391.73,525.59 Q1.3@2391.73,365.16 ; U10.5@2206.69,641.54 U10.6@2206.69,691.54 ; v1(2232.28,1814.96) v1(2232.28,2015.75) ; v1(2338.58,2137.8) 2358.27,2157.48 2515.75,2157.48 v1(2566.93,2208.66) ; v1(2448.82,1452.76) 2488.19,1492.13 L10.1@2488.19,1500 2500,1500 v1(2535.43,1535.43)
  Top Layer w23.62: R21.1@350.39,1370.08 R29.1@444.88,1370.08 v1(409.45,1405.51)
  Top Layer w39.37: v1(1051.2,2216.54) 1051.2,2307.07 ; 1051.18,2307.09 1098.43,2354.33 U6.4@1226.38,2354.33 ; L4.2@1649.61,2456.69 1677.95,2485.04 P2.11@1677.95,2598.43
  Bottom Layer w11.81: R52.2@551.18,2220.47 R52.2@557.12,2214.53 ; v1(661.42,1244.09) v1@665.35,1244.09 ; C15.1@725.79,1514.37 C15.1@728.35,1511.81 740.16,1511.81 ; C15.1@736.22,1511.81 v1(767.72,1543.31) ; v1@1048.23,2220.47 1051.2,2217.5 v1(1051.2,2216.54) v1@1051.2,2223.42 ; v1(1555.12,311.02) v1@1558.07,308.07 ; C17.2@1688.98,2169.29 1690.15,2170.46 U4.9@1690.15,2209.65 ; R105.2@2185.04,1681.1 R105.2@2185.04,1688.98 ; U16.5@2202.76,1258.86 2203.74,1259.84 C58.1@2263.78,1259.84
  Bottom Layer w15.75: 1000.98,747.05 U13.7@1052.94,747.05 v1(1157.48,747.05) ; v1@1051.2,2223.43 1126.97,2223.43 1140.75,2209.65 U4.9@1690.15,2209.65 ; v1@1558.07,308.07 U9.8@1624.87,308.07
  Bottom Layer w19.68: v1(284.57,468.5) 283.46,469.61 283.46,720.47 v1(299.21,736.22) 299.21,846.46 326.77,874.02 326.77,956.69 389.76,1019.68 v1(539.37,1019.68) 559.06,1039.37 559.06,1082.68 661.42,1185.04 v1(661.42,1244.09) ; R52.2@557.12,2214.53 R51.2@969.62,2214.53 ; v1@665.35,1244.09 704.72,1283.46 R27.1@704.72,1342.52 767.72,1405.51 767.72,1484.25 740.16,1511.81 ; C15.1@725.79,1514.37 U3.7@643.7,1514.37 603.74,1514.37 541.21,1576.9 541.21,1627.58 663.51,1749.87 705.7,1749.87 711.73,1755.91 718.58,1755.91 724.61,1749.87 755.7,1749.87 761.73,1755.91 768.58,1755.91 774.61,1749.87 1025.46,1749.87 v1(1051.31,1775.72) ; v1(783.46,814.96) 793.31,824.8 946.85,824.8 984.25,787.4 984.25,763.78 1000.98,747.05 ; R51.2@948.82,2220.47 v1@1048.23,2220.47 ; v1(1582.68,803.15) 1663.26,722.57 1718.02,722.57 1798.86,641.73 2000,641.73 R58.1@2047.24,688.98 R74.2@2157.48,688.98 v1(2267.72,578.74) ; U9.8@1624.87,307.82 1625.98,306.71 C33.2@1625.98,267.72 ; v1(1657.48,1074.8) 1657.48,1263.78 1700.66,1306.96 1793.3,1306.96 1793.43,1307.09 1803.15,1307.09 v1(1877.95,1381.89) 1921.26,1425.2 2255.91,1425.2 2291.34,1389.76 ; R105.2@2185.04,1688.98 R57.2@2279.53,1783.46 ; v1(2232.28,1814.96) 2244.09,1803.15 2259.84,1803.15 R57.2@2279.53,1783.46 ; v1(2232.28,2015.75) 2263.78,2047.24 R59.2@2283.46,2047.24 2338.58,2102.36 v1(2338.58,2137.8) ; C58.1@2263.78,1259.84 2291.34,1287.4 2291.34,1389.76 ; v1(2448.82,1452.76) 2448.46,1452.76 2426.68,1430.98 2332.55,1430.98 2291.34,1389.76 ; v1(2535.43,1535.43) 2535.43,1590.55 2429.13,1696.85 2354.33,1696.85 2279.53,1771.65 R57.2@2279.53,1783.46
  Bottom Layer w23.62: R19.1@330.71,1440.94 366.14,1405.51 v1(409.45,1405.51)
  Bottom Layer w27.56: P2.11@1677.95,2598.43 1776.63,2697.1 2324.77,2697.1 2368.49,2653.39 2368.49,2607.89 2568.9,2407.48 2566.93,2405.51 v1(2566.93,2208.66)
  Bottom Layer w39.37: v1(1051.18,2255.91) 1051.2,2223.43 1051.29,1830.6 v1(1051.31,1775.72) ; C1.2@1677.95,2509.84 P2.11@1677.95,2598.43
5V_USB: C56.2 L1.1 U14.1 U15.1 | length 474.1
  Top Layer w11.81: U14.1@2106.3,1990.94 U14.1@2128.74,1990.94 ; U15.1@2385.83,1979.13 ccw(c2387.01,1979.13) U15.1@2387.01,1977.94
  Top Layer w19.68: U14.1@2106.3,1990.94 C56.2@2106.3,2043.31 ; U14.1@2128.74,1990.94 2212.6,2074.8 L1.1@2385.83,2074.8 2385.83,1979.13 U15.1@2387.01,1977.94 U15.1@2395.27,1977.94
5V_VREF: C21.2 U5.20 | length 70.9
  Top Layer w11.81: U5.20@1696.85,1488.19 C21.2@1767.72,1488.19
10V_VREF: C8.2 C9.2 C27.1 C29.1 P1.4 P1.9 R56.2 U7.1 U8.1 | length 1686.9
  Top Layer w11.81: U7.1@377.17,1801.18 U7.1@379.13,1799.21
  Top Layer w31.5: P1.9@157.48,1277.17 98.43,1336.22 98.43,1718.11 P1.4@157.48,1777.17 181.5,1801.18 C27.1@271.65,1801.18 U7.1@377.17,1801.18 ; U7.1@379.13,1799.21 379.13,1754.72 409.45,1724.41 607.48,1724.41 U8.1@690.16,1807.09 637.8,1859.45 637.8,1938.98 C29.1@627.95,1948.82
  Bottom Layer w11.81: P1.9@157.48,1277.17 P1.9@166.93,1277.17
  Bottom Layer w23.62: U7.1@379.13,1799.21 379.13,1851.57 R56.2@425.2,1897.64
  Bottom Layer w39.37: P1.4@157.48,1777.17 182.68,1777.17 C8.2@251.97,1846.46 ; P1.9@166.93,1277.17 220.47,1330.71 C9.2@230.31,1330.71